# Altium PCB Stratochovy2.PcbDoc (part 1 of 2) (continued)
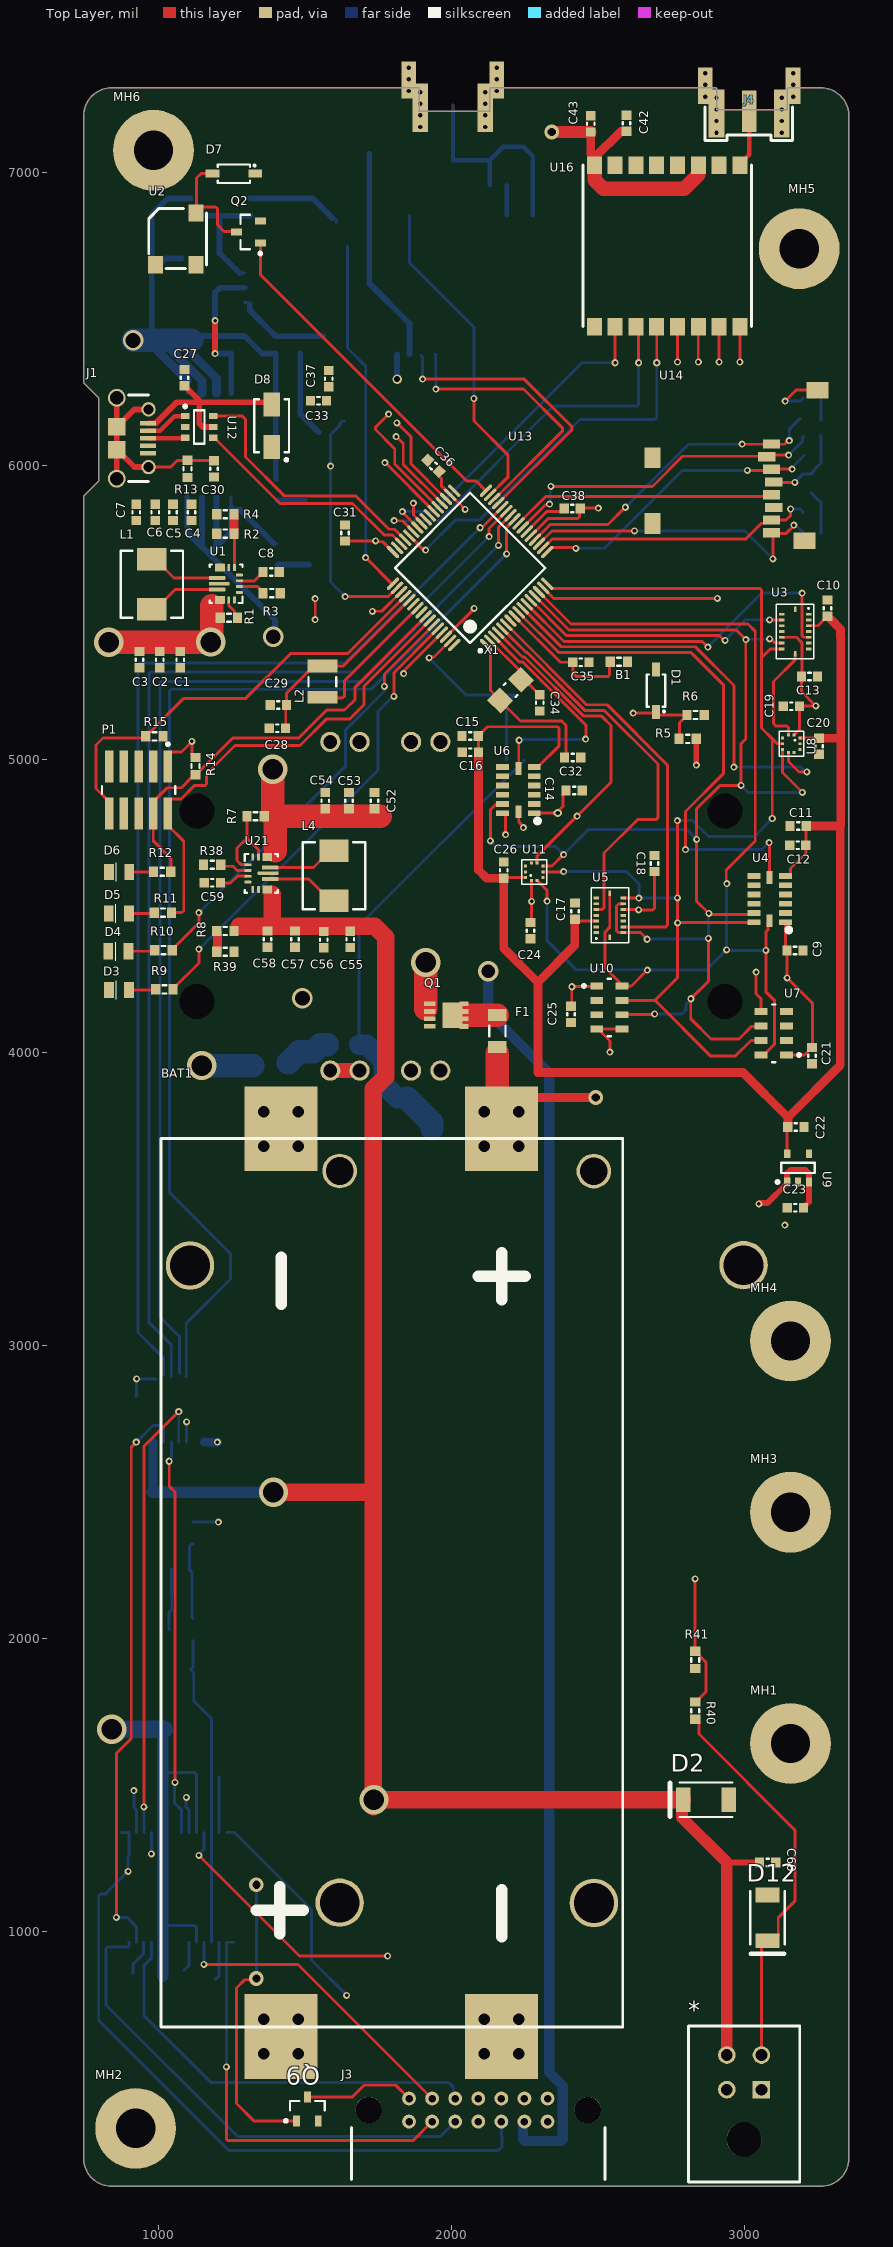
[diagram p0: Top Layer view]
## Part data (continued)
D10: library part CMP-033-0001-1, "LED 0805 RED 20MA", Color=Red, Current - Test=20mA, Lens Color=White, Manufacturer="OSRAM Opto Semiconductors Inc", Manufacturer Part Number="LH R974-LP-1", Millicandela Rating=41mcd, Package / Case="0805 (2012 Metric)", Voltage - Forward (Vf) (Typ)=1.8V, ComponentLink1Description=http://www.osram-os.com/Graphics/XPic8/00078869_0.pdf, ComponentLink1URL=http://www.osram-os.com/Graphics/XPic8/00078869_0.pdf, Design Item ID=LED_LY974, Height (Max)=0.80mm, Lens Style/Size="Rectangle with Flat Top, 1.30mm x 1.25mm", Lens Transparency=Diffused, Mounting Type="Surface Mount", Packaging="Cut Tape (CT)", Pricing 1="1=0.08, 10=0.07, 100=0.0559, 250=0.04892, 500=0.04472 (USD)", RoHS="RoHS Compliant", Size / Dimension="2.00mm L x 1.25mm W", Source=diode.SchLib, Stock 1=66379, Viewing Angle=160°, Wavelength - Dominant=645nm, Wavelength - Peak=660nm
F1 F2: library part CMP-035-0003-1, Design Item ID=__template_fuse, Source=fuse.SchLib
J1: library part CMP-029-0083-1, "CONN RCPT USB2.0 MICRO B SMD R/A", Colour=Black, Current Rating=1.8A, Flammability Rating="UL94 V-0", Insulation Resistance=1GR, Manufacturer="Amphenol FCI", Manufacturer Part Number=10118194-0001LF, Max Operating Temperature=85°C, Max Voltage Rating (AC)=100V, Min Operating Temperature=-55°C, Package Quantity=9600, ComponentLink1Description=https://datasheet.ciiva.com/851/10118194-851110.pdf, ComponentLink1URL=https://datasheet.ciiva.com/851/10118194-851110.pdf, ComponentLink2Description=https://datasheet.ciiva.com/851/10118194-851111.pdf, ComponentLink2URL=https://datasheet.ciiva.com/851/10118194-851111.pdf, ComponentLink3Description=https://datasheet.ciiva.com/4598/10118194ac-197217-4598807.pdf, ComponentLink3URL=https://datasheet.ciiva.com/4598/10118194ac-197217-4598807.pdf, ComponentLink4Description=https://datasheet.ciiva.com/29907/10118194-29907230.pdf, ComponentLink4URL=https://datasheet.ciiva.com/29907/10118194-29907230.pdf, ComponentLink5Description=https://datasheet.ciiva.com/26945/getdatasheetpartid-418619-26945695.pdf, ComponentLink5URL=https://datasheet.ciiva.com/26945/getdatasheetpartid-418619-26945695.pdf, Connector Type=USB,Receptacle, Contact Material="Copper Alloy", Contact Plating=Nickel,Gold, Depth=5mm, Design Item ID=CONN_USB_MICROB_SMD_TH_R/A, Gender=Receptacle, Housing Material=Polymer, Lead Free="Lead Free", Length=8.05mm, Mount="Surface Mount,Horizontal", Number of Contacts=5, Number of Ports=1, Number of Terminals=5, Orientation="Right Angle", Packaging="Tape and Reel", Pitch=0.65mm, Pricing 1="1=0.46, 10=0.437, 25=0.3744, 50=0.318, 100=0.3056, 250=0.2744, 500=0.262 (USD)", Radiation Hardening=No, Source=connector.SchLib, Stock 1=180464, Termination=Solder
J2 J4: library part CMP-025-0000-1, "SMA Samtec, Edge Mount, Long Thread. PCB Footprint designed by timv to improve strength, verifived on several PCBs from BAC."
J3: library part CMP-030-0115-1, "7+7 POS R/A MALE 3mm TAIL W/JS TIN", Manufacturer=Harwin, Manufacturer Part Number=M80-5401442, ComponentLink1Description=https://datasheet.ciiva.com/11751/0900766b80d93463-11751065.pdf, ComponentLink1URL=https://datasheet.ciiva.com/11751/0900766b80d93463-11751065.pdf, ComponentLink2Description=https://datasheet.ciiva.com/733/m80-540-733786.pdf, ComponentLink2URL=https://datasheet.ciiva.com/733/m80-540-733786.pdf, ComponentLink3Description=https://datasheet.ciiva.com/41451/001233329-da-01-en-stiftleiste-einbau-gewinkelt-m80-5401442-41451405.pdf, ComponentLink3URL=https://datasheet.ciiva.com/41451/001233329-da-01-en-stiftleiste-einbau-gewinkelt-m80-5401442-41451405.pdf, Design Item ID=HARWIN_MALE_RIGHT-ANGLE_M80-5401442, Height=6.05mm, Length=24mm, Number of arrays=2, Number of poles=14, Pitch=2mm, Pricing 1="1=18.11, 10=16.81, 50=14.66, 100=12.93, 1000=11.81, 10000=11.81 (USD)", Source=connector.SchLib, Stock 1=61, Wire connection method=Solder
L1 L4: library part CMP-052-0036-1, "INDUCTOR POWER 1.5UH 7.5A SMD", Current - Saturation=7A, Current Rating=7.5A, DC Resistance (DCR)="18.5 mOhm Max", Frequency - Self Resonant=-, Frequency - Test=100kHz, Inductance=1.5µH, Manufacturer="Vishay Dale", Manufacturer Part Number=IHLP2020CZER1R5M11, Operating Temperature="-55°C ~ 125°C", Package / Case="Non Standard", tolerance=±20%, ComponentLink1Description=Datasheet, ComponentLink1URL=http://www.vishay.com/docs/34260/lp20cz11.pdf, Design Item ID=IND_IHLP2020CZER1R5M11, Material - Core=-, Mounting Type="Surface Mount", Packaging="Cut Tape (CT)", Pricing 1="1=2.29, 10=1.86, 100=1.55, 500=1.24, 1000=1.116 (USD)", Q @ Freq=-, RoHS="RoHS Compliant", Shielding=Shielded, Size / Dimension="0.216\" L x 0.204\" W x 0.118\" H (5.49mm x 5.18mm x 3.00mm)", Source=inductor.SchLib, Stock 1=17936
L2: library part CMP-052-0010-1, "INDUCTOR 100UH 270MA 1210 SMD", Current=270mA, Current - Temperature Rise=250mA, DC Resistance (DCR)="3 Ohm Max", Frequency - Self Resonant=5MHz, Frequency - Test=100kHz, Inductance=100µH, Manufacturer="Taiyo Yuden", Manufacturer Part Number=BRL3225T101K, Operating Temperature="-40°C ~ 105°C", Package / Case="1210 (3225 Metric)", Q @ Freq=-, tolerance=±10%, Applications="Power Supplies", ComponentLink1Description=Datasheet, ComponentLink1URL=http://www.yuden.co.jp/ut/product/pdf/wound07_e.pdf, Current - Saturation=270mA, Design Item ID=IND_BRL3225T101K, Material - Core=-, Mounting Type="Surface Mount", Packaging="Cut Tape (CT)", Pricing 1="1=0.16, 10=0.155, 50=0.145, 100=0.1354, 500=0.10638, 1000=0.08704 (GBP)", RoHS="RoHS Compliant", Shielding=Unshielded, Source=inductor.SchLib, Stock 1=84687
L3: library part CMP-123-0062-1, "FIXED IND 27NH 680MA 288 MOHM", Current Rating=680mA, Frequency - Self Resonant=4GHz, Inductance=27nH, Inductance - nH (Machine readable)=27, Manufacturer="Murata Electronics North America"
MH1 MH2 MH3 MH4 MH5 MH6: library part CMP-054-0000-1, Design Item ID=SCREW, Source=mechanical.SchLib
P1: library part CMP-2000-05352-1, "Male Header, Pitch 1.27 mm, 2 x 5 Position, Height 6.12 mm, RoHS, Tube", Color=Black, Manufacturer=Samtec, Package Description="Male Header, Pitch 1.27 mm, 2 x 5 Position, Height 5.97 mm, Tail Length 4.32 mm", Package Reference=FTSH-105-01-L-DV-K, Category=Connectors,Interconnects, Connector Type=Header,Shrouded, Contact Finish=Gold, Contact Finish Thickness=3µin(0.08µm), Contact Mating Length="0.120\"(3.05mm)", Contact Type=MalePin, Datasheet URL=http://suddendocs.samtec.com/prints/ftsh-1xx-xx-xxx-dv-xxx-mkt.pdf, Datasheet Version="Rev. ET, 10/1995", Family=RectangularConnectors-Headers,MalePins, Fastening Type=-, Features=-, Manufacturer URL=http://www.samtec.com/, Mounting Type=SurfaceMount, Number of Positions=10, Number of Positions Loaded=All, Number of Rows=2, Package URL=http://suddendocs.samtec.com/prints/ftsh-1xx-xx-xxx-dv-xxx-footprint.pdf, Packaging=Tube, Pitch="0.050\"(1.27mm)", Row Spacing="0.050\"(1.27mm)", Series=FTSH, Termination=Solder
Q1 Q6: library part CMP-078-0043-2, "MOSFET P-CH 20V 35A PPK", Current - Continuous Drain (Id) @ 25°C="35A (Tc)", Drain to Source Voltage (Vdss)=20V, Input Capacitance (Ciss) @ Vds="5590pF @ 10V", Manufacturer="Vishay Siliconix", Manufacturer Part Number=SI7615ADN-T1-GE3, Operating Temperature="-55°C ~ 150°C (TJ)", Package / Case="PowerPAK® 1212-8", Power - Max=52W, ComponentLink1Description=http://www.vishay.com/docs/62667/si7615adn.pdf, ComponentLink1URL=http://www.vishay.com/docs/62667/si7615adn.pdf, Design Item ID=PFET_SI7615ADN-T1, FET Feature=Standard, FET Type="MOSFET P-Channel, Metal Oxide", Gate Charge (Qg) @ Vgs="183nC @ 10V", Mounting Type="Surface Mount", Packaging="Cut Tape (CT)", Part Status=Active, Pricing 1="1=0.73, 10=0.646, 25=0.6068, 100=0.4951, 250=0.45988, 500=0.3914, 1000=0.31312 (USD)", Rds On (Max) @ Id, Vgs="4.4 mOhm @ 20A, 10V", RoHS="RoHS Compliant", Source=transistor_fet.SchLib, Stock 1=98451, Supplier Device Package="PowerPAK® 1212-8", Vgs(th) (Max) @ Id="1.5V @ 250µA"
Q2 Q4 Q5 Q8 Q9: library part CMP-078-0046-1, "MOSFET N-CH 25V 5.8A SOT23", Current - Continuous Drain (Id) @ 25° C=5.8A, Drain to Source Voltage (Vdss)=25V, Input Capacitance (Ciss) @ Vds="430pF @ 10V", Manufacturer="International Rectifier", Manufacturer Part Number=IRFML8244TRPBF, Package / Case="TO-236-3, SC-59, SOT-23-3", Power - Max=1.25W, Supplier Device Package=SOT-23, ComponentLink1Description=Datasheet, ComponentLink1URL=http://www.irf.com/product-info/datasheets/data/irfml8244pbf.pdf, Design Item ID=NFET_IRFML8244TRPBF, FET Feature="Logic Level Gate", FET Type="MOSFET N-Channel, Metal Oxide", Gate Charge (Qg) @ Vgs="5.4nC @ 10V", Mounting Type="Surface Mount", Packaging="Cut Tape (CT)", Pricing 1="1=0.41, 10=0.23, 100=0.1491, 250=0.13548, 500=0.1219, 1000=0.11411 (USD)", Rds On (Max) @ Id, Vgs="24 mOhm @ 5.8A, 10V", RoHS="RoHS Compliant", Source=transistor_fet.SchLib, Stock 1=13542, Vgs(th) (Max) @ Id="2.35V @ 10µA"
Q3: library part CMP-078-0013-1, "MOSFET P-CH 30V 8.8A", Case/Package=SOIC, Continuous Drain Current (ID)=8.8A, Current Rating=-8.8A, Drain to Source Breakdown Voltage=-30V, Drain to Source Resistance=20mR, Drain to Source Voltage (Vdss)=30V, Gate to Source Voltage (Vgs)=20V, Input Capacitance=1.604nF, Manufacturer="Fairchild Semiconductor", Manufacturer Part Number=SI4435DY, Max Operating Temperature=175°C, Max Power Dissipation=2.5W, Min Operating Temperature=-55°C, Package Quantity=1, Threshold Voltage=-1.7V, ComponentLink1Description=https://datasheet.ciiva.com/4450/si4435dy-100561-4450691.pdf, ComponentLink1URL=https://datasheet.ciiva.com/4450/si4435dy-100561-4450691.pdf, ComponentLink2Description=https://datasheet.ciiva.com/22682/256483-22682026.pdf, ComponentLink2URL=https://datasheet.ciiva.com/22682/256483-22682026.pdf, ComponentLink3Description=https://datasheet.ciiva.com/26252/si4435dy-26252714.pdf, ComponentLink3URL=https://datasheet.ciiva.com/26252/si4435dy-26252714.pdf, ComponentLink4Description=https://datasheet.ciiva.com/11175/si4435dy-11175899.pdf, ComponentLink4URL=https://datasheet.ciiva.com/11175/si4435dy-11175899.pdf, ComponentLink5Description=https://datasheet.ciiva.com/16772/si4435dy-16772219.pdf, ComponentLink5URL=https://datasheet.ciiva.com/16772/si4435dy-16772219.pdf, ComponentLink6Description=https://datasheet.ciiva.com/6374/si4435dy-6374700.pdf, ComponentLink6URL=https://datasheet.ciiva.com/6374/si4435dy-6374700.pdf, ComponentLink7Description=https://datasheet.ciiva.com/6374/si4435dy-6374703.pdf, ComponentLink7URL=https://datasheet.ciiva.com/6374/si4435dy-6374703.pdf, Design Item ID=PFET_SI4435DY, Dual Supply Voltage=-30V, Element Configuration=Single, Fall Time=25ns, Height=1.57mm, Lead Free="Lead Free", Length=4.9mm, Mount="Surface Mount", Nominal Vgs=-1.7V, Number of Elements=1, Number of Pins=8, Packaging="Tape and Reel", Power Dissipation=2.5W, Pricing 1="1=0.99, 10=0.884, 100=0.6893, 500=0.5694, 1000=0.4495 (USD)", Radiation Hardening=No, Rds On Max=20mR, REACH SVHC="No SVHC", Rise Time=13.5ns, Source=transistor_fet.SchLib, Stock 1=5038, Termination=SMD/SMT, Turn-Off Delay Time=42ns, Turn-On Delay Time=16ns, Voltage Rating (DC)=-30V, Width=3.9mm
Q7: library part CMP-078-0012-1, "MOSFET P-CH", Design Item ID=PFET_Si2305DS, Source=transistor_fet.SchLib
R1 R6 R7 R15 R17 R21 R23 R24 R25 R30 R31 R32 R33 R34 R35 R37 R40: library part CMP-126-0273-2, "RES SMD 10K OHM 1% 1/10W 0603", Manufacturer=Yageo, Manufacturer Part Number=RC0603FR-0710KL, Operating Temperature="-55°C ~ 155°C", Power (Watts)="0.1W, 1/10W", Resistance="10 kΩ", Resistance (Sortable)=10000, Temperature Coefficient=±100ppm/°C, tolerance=±1%, Datasheets=http://www.yageo.com/documents/recent/PYu-RC_Group_51_RoHS_L_9.pdf, Image=//media.digikey.com/Renders/Yageo%20Renders/0603-(1608-Metric).jpg
R2: library part CMP-126-0450-2, "RES SMD 470K OHM 1% 1/10W 0603", Manufacturer=Yageo, Manufacturer Part Number=RC0603FR-07470KL, Operating Temperature="-55°C ~ 155°C", Power (Watts)="0.1W, 1/10W", Resistance="470 kΩ", Resistance (Sortable)=470000, Temperature Coefficient=±100ppm/°C, tolerance=±1%, Datasheets=http://www.yageo.com/documents/recent/PYu-RC_Group_51_RoHS_L_9.pdf, Image=//media.digikey.com/Renders/Yageo%20Renders/0603-(1608-Metric).jpg
R3 R16 R18 R19 R20 R38: library part CMP-126-0382-2, "RES SMD 100K OHM 1% 1/10W 0603", Manufacturer=Yageo, Manufacturer Part Number=RC0603FR-07100KL, Operating Temperature="-55°C ~ 155°C", Power (Watts)="0.1W, 1/10W", Resistance="100 kΩ", Resistance (Sortable)=100000, Temperature Coefficient=±100ppm/°C, tolerance=±1%, Datasheets=http://www.yageo.com/documents/recent/PYu-RC_Group_51_RoHS_L_9.pdf, Image=//media.digikey.com/Renders/Yageo%20Renders/0603-(1608-Metric).jpg
R4: library part CMP-126-0400-2, "RES SMD 150K OHM 1% 1/10W 0603", Manufacturer=Yageo, Manufacturer Part Number=RC0603FR-07150KL, Operating Temperature="-55°C ~ 155°C", Power (Watts)="0.1W, 1/10W", Resistance="150 kΩ", Resistance (Sortable)=150000, Temperature Coefficient=±100ppm/°C, tolerance=±1%, Datasheets=http://www.yageo.com/documents/recent/PYu-RC_Group_51_RoHS_L_9.pdf, Image=//media.digikey.com/Renders/Yageo%20Renders/0603-(1608-Metric).jpg
R5 R36 R41: library part CMP-126-0304-2, "RES SMD 20K OHM 1% 1/10W 0603", Manufacturer=Yageo, Manufacturer Part Number=RC0603FR-0720KL, Operating Temperature="-55°C ~ 155°C", Power (Watts)="0.1W, 1/10W", Resistance="20 kΩ", Resistance (Sortable)=20000, Temperature Coefficient=±100ppm/°C, tolerance=±1%, Datasheets=http://www.yageo.com/documents/recent/PYu-RC_Group_51_RoHS_L_9.pdf, Image=//media.digikey.com/Renders/Yageo%20Renders/0603-(1608-Metric).jpg
R8: library part CMP-126-0467-2, "RES SMD 680K OHM 1% 1/10W 0603", Manufacturer=Yageo, Manufacturer Part Number=RC0603FR-07680KL, Operating Temperature="-55°C ~ 155°C", Power (Watts)="0.1W, 1/10W", Resistance="680 kΩ", Resistance (Sortable)=680000, Temperature Coefficient=±100ppm/°C, tolerance=±1%, Datasheets=http://www.yageo.com/documents/recent/PYu-RC_Group_51_RoHS_L_9.pdf, Image=//media.digikey.com/Renders/Yageo%20Renders/0603-(1608-Metric).jpg
R9 R10 R11 R12: library part CMP-126-0070-2, "RES SMD 100 OHM 1% 1/10W 0603", Manufacturer=Yageo, Manufacturer Part Number=RC0603FR-07100RL, Operating Temperature="-55°C ~ 155°C", Power (Watts)="0.1W, 1/10W", Resistance="100 Ω", Resistance (Sortable)=100, Temperature Coefficient=±100ppm/°C, tolerance=±1%, Datasheets=http://www.yageo.com/documents/recent/PYu-RC_Group_51_RoHS_L_9.pdf, Image=//media.digikey.com/Renders/Yageo%20Renders/0603-(1608-Metric).jpg
R13: library part CMP-126-0484-2, "RES SMD 1M OHM 1% 1/10W 0603", Manufacturer=Yageo, Manufacturer Part Number=RC0603FR-071ML, Operating Temperature="-55°C ~ 155°C", Power (Watts)="0.1W, 1/10W", Resistance="1 MΩ", Resistance (Sortable)=1000000, Temperature Coefficient=±100ppm/°C, tolerance=±1%, Datasheets=http://www.yageo.com/documents/recent/PYu-RC_Group_51_RoHS_L_9.pdf, Image=//media.digikey.com/Renders/Yageo%20Renders/0603-(1608-Metric).jpg
R14 R27 R28: library part CMP-126-0172-2, "RES SMD 1K OHM 1% 1/10W 0603", Manufacturer=Yageo, Manufacturer Part Number=RC0603FR-071KL, Operating Temperature="-55°C ~ 155°C", Power (Watts)="0.1W, 1/10W", Resistance="1 kΩ", Resistance (Sortable)=1000, Temperature Coefficient=±100ppm/°C, tolerance=±1%, Datasheets=http://www.yageo.com/documents/recent/PYu-RC_Group_51_RoHS_L_9.pdf, Image=//media.digikey.com/Renders/Yageo%20Renders/0603-(1608-Metric).jpg
R22: library part CMP-126-0002-2, "RES SMD 10 OHM 1% 1/10W 0603", Manufacturer=Yageo, Manufacturer Part Number=RC0603FR-0710RL, Operating Temperature="-55°C ~ 155°C", Power (Watts)="0.1W, 1/10W", Resistance="10 Ω", Resistance (Sortable)=10, Temperature Coefficient=±200ppm/°C, tolerance=±1%, Datasheets=http://www.yageo.com/documents/recent/PYu-RC_Group_51_RoHS_L_9.pdf, Image=//media.digikey.com/Renders/Yageo%20Renders/0603-(1608-Metric).jpg
R26 R29: library part CMP-126-0120-2, "RES SMD 330 OHM 1% 1/10W 0603", Manufacturer=Yageo, Manufacturer Part Number=RC0603FR-07330RL, Operating Temperature="-55°C ~ 155°C", Power (Watts)="0.1W, 1/10W", Resistance="330 Ω", Resistance (Sortable)=330, Temperature Coefficient=±100ppm/°C, tolerance=±1%, Datasheets=http://www.yageo.com/documents/recent/PYu-RC_Group_51_RoHS_L_9.pdf, Image=//media.digikey.com/Renders/Yageo%20Renders/0603-(1608-Metric).jpg
R39: library part CMP-126-0394-2, "RES SMD 130K OHM 1% 1/10W 0603", Manufacturer=Yageo, Manufacturer Part Number=RC0603FR-07130KL, Operating Temperature="-55°C ~ 155°C", Power (Watts)="0.1W, 1/10W", Resistance="130 kΩ", Resistance (Sortable)=130000, Temperature Coefficient=±100ppm/°C, tolerance=±1%, Datasheets=http://www.yageo.com/documents/recent/PYu-RC_Group_51_RoHS_L_9.pdf, Image=//media.digikey.com/Renders/Yageo%20Renders/0603-(1608-Metric).jpg
U1 U21: library part CMP-047-0013-1, "BUCKBOOST TPS63070RNM, RNM0015A", Case/Package=VQFN, Manufacturer="Texas Instruments", Manufacturer Part Number=TPS63070RNMR, Max Input Voltage=16V, Max Operating Temperature=125°C, Max Output Voltage=9V, Min Input Voltage=2V, Min Operating Temperature=-40°C, Min Output Voltage=2.5V, Output Current=2A, Quiescent Current=50uA, Switching Frequency=2.4MHz, ComponentLink1Description="Datasheet Link", ComponentLink1URL=https://sps06.itg.ti.com/sites/KMS/crossdivteams/altium/docs/ComponentDatasheets/TPS63070_datasheet_23_April2015.pdf, Design Item ID=TPS63070RNM, Lead Free="Lead Free", Mount="Surface Mount", Number of Outputs=1, Number of Pins=15, Output Configuration=Positive, Output Type=Adjustable, Packaging="Tape and Reel", Pricing 1="1=2.67, 10=2.402, 100=1.9306, 500=1.5862, 1000=1.31428 (USD)", Source=ic_pmic.SchLib, Stock 1=16230, Synchronous Rectifier=Yes, Topology=Buck-Boost
U2: library part CMP-057-0027-1, "Peak-Peak Signal Buzzer Single Tone 4kHz Magnetic 2 ~ 4V 78dB @ 3V, 10cm", Current - Supply=100mA, Frequency=4kHz, Manufacturer="PUI Audio, Inc.", Manufacturer Part Number=SMT-0540-T-7-R, Operating Mode="Single Tone", Operating Temperature="-30°C ~ 70°C", Ratings=-, Voltage - Rated=3V, Voltage Range="2 ~ 4V", Approvals=-, ComponentLink1Description=http://www.puiaudio.com/pdf/SMT-0540-T-7-R.pdf, ComponentLink1URL=http://www.puiaudio.com/pdf/SMT-0540-T-7-R.pdf, Design Item ID=BUZ_SMT-0540-T-7-R, Driver Circuitry="Transducer, Externally Driven", Duration=-, Input Type="Peak-Peak Signal", Mounting Type="Surface Mount", Packaging="Cut Tape (CT)", Part Status=Active, Port Location=Top, Pricing 1="1=3.99, 10=3.325, 100=2.66, 500=2.3275 (USD)", RoHS="RoHS Compliant", Size / Dimension="5.0mm L x 5.0mm W x 2.1mm H", Sound Pressure Level="78dB @ 3V, 10cm", Source=miscellaneous.SchLib, Stock 1=12397, Technology=Magnetic, Termination="Solder Pads"
U3 U5: library part CMP-074-0017-1, "Bosch BMI088", Design Item ID=IMU_BMI088, Source=sensor.SchLib
U4 U6: library part CMP-074-0018-1, "200G Accelcerometer", Manufacturer="Analog Devices", Manufacturer Part Number=ADXL375BCCZ-RL7, Max Operating Temperature=85°C, Min Operating Temperature=-40°C, Nominal Supply Current=145uA, Operating Supply Voltage=3.6V, Package Quantity=1, -3db Bandwidth=1.6kHz, Axis="X, Y, Z", Bandwidth=1kHz, Design Item ID=ADXL375BCCZ, Interface=I2C,SPI, Lead Free="Contains Lead", Mount="Surface Mount", Number of Pins=14, Operating Supply Current=145uA, Output Type=Digital, Pricing 1="1=10.9, 10=10.021, 100=8.463, 500=7.5284 (USD)", Sensitivity=20.5LSB/g, Source=sensor.SchLib, Stock 1=3410
U7 U10: library part CMP-00025-1, "Pressure Sensor 1.44V to 3.6V 0.01bar to 1.2bar Absolute 8-Pin QFN T/R", Case/Package=QFN, Max Operating Temperature=85°C, Max Supply Voltage=3.6V, Min Operating Temperature=-40°C, Min Supply Voltage=1.8V, Nominal Supply Current=12.5uA, Operating Supply Voltage=3V, Package Quantity=3600, Interface=I2C,SPI, Mount="Surface Mount", Number of Pins=8, Operating Supply Current=12.5uA, Output Type=Digital, Output Voltage=3.6V, Packaging="Tape and Reel", Pressure Type=Absolute, Radiation Hardening=No, REACH SVHC="No SVHC", Resolution=24b, RoHS Compliant=Yes
U8 U11: library part CMP-074-0001-1, "SENSOR PRESSURE ABS", Manufacturer="Bosch Sensortec", ComponentLink1Description=https://ae-bst.resource.bosch.com/media/_tech/media/product_flyer/BST-BMP388-FL000-00.pdf, ComponentLink1URL=https://ae-bst.resource.bosch.com/media/_tech/media/product_flyer/BST-BMP388-FL000-00.pdf, Design Item ID=BMP388, Manufacturer Part Number=BMP388, Pricing 1="1=3.93, 5=3.466, 10=3.061, 25=2.4832, 50=2.1946, 100=2.1368, 500=1.7903, 1000=1.6748, 5000=1.5593 (USD)", Source=sensor.SchLib, Stock 1=46050
U9: library part CMP-048-0071-1, "IC REG LDO 3.3V .2A SOT23-5", Current - Limit (Min)=220mA, Current - Output=200mA, Manufacturer="Texas Instruments", Manufacturer Part Number=TLV70033QDDCRQ1, Operating Temperature="-40°C ~ 125°C", Package / Case="SOT-23-5 Thin, TSOT-23-5", Supplier Device Package=SOT-5, Voltage - Dropout (Typical)=-, Voltage - Input="Up to 5.5V", Voltage - Output=3.3V, ComponentLink1Description=Datasheet, ComponentLink1URL=http://www.ti.com/lit/ds/symlink/tlv70033-q1.pdf, Design Item ID=LDO_TLV70033QDDCRQ1, Mounting Type="Surface Mount", Number of Regulators=1, Packaging="Cut Tape (CT)", Pricing 1="1=0.58, 10=0.507, 25=0.444, 100=0.1661, 250=0.16296, 500=0.1599, 750=0.15683 (USD)", Regulator Topology="Positive Fixed", RoHS="RoHS Compliant", Source=ic_pmic.SchLib, Stock 1=889
U12: library part CMP-038-0001-1, Capacitance @ Frequency=-, Current - Peak Pulse (10/1000µs)="5A (8/20µs)", Manufacturer=STMicroelectronics, Manufacturer Part Number=USBLC6-2SC6, Operating Temperature="-40°C ~ 125°C (TJ)", Package / Case=SOT-23-6, Power Line Protection=Yes, Voltage - Breakdown (Min)=6V, Voltage - Clamping (Max) @ Ipp=17V, Voltage - Reverse Standoff (Typ)=5.25V, Applications=Ethernet, Bidirectional Channels=-, ComponentLink1Description=http://www.st.com/web/en/resource/technical/document/datasheet/CD00050750.pdf, ComponentLink1URL=http://www.st.com/web/en/resource/technical/document/datasheet/CD00050750.pdf, Design Item ID=USBLC6-2, Mounting Type="Surface Mount", Packaging="Cut Tape (CT)", Part Status=Active, Power - Peak Pulse=-, Pricing 1="1=0.51, 10=0.411, 100=0.2802, 500=0.21012, 1000=0.15759 (USD)", RoHS="RoHS Compliant", Source=ic_analog.SchLib, Stock 1=31719, Supplier Device Package=SOT-23-6, Unidirectional Channels=2
U13: library part CMP-049-0005-1, "Atmel SAM ARM Cortex M4", ComponentLink1Description="Product Page", ComponentLink1URL=https://www.microchip.com/wwwproducts/en/ATSAMD21G18, ComponentLink2Description=Datasheet, ComponentLink2URL=http://ww1.microchip.com/downloads/en/DeviceDoc/SAM-D21-Family-Datasheet-DS40001882C.pdf, Design Item ID=SAME51J20A-A, Source=ic_processor.SchLib
U14: library part CMP-030-0037-1, "MICROSD CARD HOLDER, PUSH-PUSH", Manufacturer=3M, Manufacturer Part Number=2908-05WB-MG, Card Type="Secure Digital - microSD™", ComponentLink1Description=http://multimedia.3m.com/mws/media/416257O/3mtm-card-connector-microsdtm-2900-series-ts2197.pdf, ComponentLink1URL=http://multimedia.3m.com/mws/media/416257O/3mtm-card-connector-microsdtm-2900-series-ts2197.pdf, Connector Type="Connector and Ejector", Contact Finish=Gold, Contact Finish Thickness="15µin (0.38µm)", Design Item ID=MICRO_SD_CARD_HOLDER, Ejector Side=-, Features=Switch, Height Above Board="0.073\" (1.85mm)", Insertion, Removal Method="Push In, Push Out", Mounting Feature="Normal, Standard - Top", Mounting Type="Surface Mount, Right Angle", Number of Positions="10 (8 + 2)", Packaging="Cut Tape (CT)", Pricing 1="1=3.6, 10=3.458, 25=3.1704, 50=3.0262, 100=2.882, 250=2.52176, 500=2.4497, 1000=2.08945 (USD)", RoHS="RoHS Compliant", Source=connector.SchLib, Stock 1=32313
U15: library part CMP-074-0003-2, "Receiver GNSS 24LCC", Design Item ID=NEO_M8, Source=sensor.SchLib
U16: library part CMP-025-0002-1, "Dorji DRF1268T LoRa Module with SX1262 IC and TCXO", Design Item ID=RFM_Module
U17: library part CMP-059-0002-1, "555 Type, Timer/Oscillator (Single) IC 2.1MHz 8-SOIC (0.154\", 3.90mm Width)", Current - Supply=360µA, Frequency=2.1MHz, Manufacturer="Texas Instruments", Manufacturer Part Number=TLC555CDR, Operating Temperature="0°C ~ 70°C", Package / Case="8-SOIC (0.154\", 3.90mm Width)", Supplier Device Package=8-SOIC, Voltage - Supply="2 V ~ 15 V", ComponentLink1Description=http://www.ti.com/lit/ds/symlink/tlc555.pdf, ComponentLink1URL=http://www.ti.com/lit/ds/symlink/tlc555.pdf, Count=-, Design Item ID=TIM_TLC555CDR, Mounting Type="Surface Mount", Packaging="Cut Tape (CT)", Part Status=Active, Pricing 1="1=0.72, 10=0.629, 100=0.481, 500=0.3811, 1000=0.30525 (USD)", RoHS="RoHS Compliant", Source=miscellaneous.SchLib, Stock 1=16901
U18: library part CMP-064-0039-2, "Stratologger", Design Item ID=STRATOLOGGERCF_ALTIMETER, Source=modules.SchLib
U19: library part CMP-045-0016-1, "4 Pin Bidirectional levelshifter 5v-3.3v", Manufacturer="Texas Instruments", Manufacturer Part Number=TXB0104PWR, Operating Temperature="-40°C ~ 85°C (TA)", Package / Case="14-TSSOP (0.173\", 4.40mm Width)", Supplier Device Package=14-TSSOP, Voltage - VCCA="1.2 V ~ 3.6 V", Voltage - VCCB="1.65 V ~ 5.5 V", Channel Type=Bidirectional, Channels per Circuit=4, ComponentLink1Description=http://www.ti.com/lit/ds/symlink/txb0104.pdf, ComponentLink1URL=http://www.ti.com/lit/ds/symlink/txb0104.pdf, Data Rate=100Mbps, Design Item ID=LVLSHFT_TXB0104PWR, Features="Auto-Direction Sensing", Input Signal=-, Mounting Type="Surface Mount", Number of Circuits=1, Output Signal=-, Output Type="Tri-State, Non-Inverted", Packaging="Cut Tape (CT)", Pricing 1="1=1.39, 10=1.246, 100=0.9717, 500=0.8036, 1000=0.6355 (USD)", RoHS="RoHS Compliant", Source=ic_interface.SchLib, Stock 1=16134, Translator Type="Voltage Level"
U20: library part CMP-045-0005-1, Manufacturer="NXP USA Inc.", Manufacturer Part Number=MC33797BPEWR2, Package / Case="32-SOIC (0.295\", 7.50mm Width)", Supplier Device Package=32-SOIC, Voltage - Supply="4.75 V ~ 5.25 V", Applications=-, ComponentLink1Description=http://cache.freescale.com/files/analog/doc/data_sheet/MC33797.pdf, ComponentLink1URL=http://cache.freescale.com/files/analog/doc/data_sheet/MC33797.pdf, Design Item ID=SQUIB_MC33797, Interface=SPI, Mounting Type="Surface Mount", Packaging="Cut Tape (CT)", Part Status=Active, RoHS="RoHS Compliant", Source=ic_interface.SchLib
X1: library part CMP-066-0008-1, "CRYSTAL 32.768 KHZ 12.5 PF SMD", ESR (Equivalent Series Resistance)="70 kOhm", Frequency=32.768kHz, Frequency Stability=-, Frequency Tolerance=±10ppm, Load Capacitance=12.5pF, Manufacturer="TXC CORPORATION", Manufacturer Part Number=9HT10-32.768KEZF-T, Operating Mode=Fundamental, Operating Temperature="-40°C ~ 85°C", Package / Case=2-SMD, ComponentLink1Description=Datasheet, ComponentLink1URL=http://www.txccrystal.com/images/pdf/9ht10.pdf, Design Item ID=XTAL_9HT10-32.768KEZF-T, Height="0.033\" (0.85mm)", Mounting Type="Surface Mount", Packaging="Cut Tape (CT)", Pricing 1="1=1.88, 10=1.625, 50=1.425, 100=1.125, 500=0.95, 1000=0.75 (USD)", Ratings=-, RoHS="RoHS Compliant", Size / Dimension="0.126\" L x 0.059\" W (3.20mm x 1.50mm)", Source=oscillator.SchLib, Stock 1=5250

## Via types
v1: diameter 24, hole 12, Top Layer to Bottom Layer, 124 vias
v2: diameter 27, hole 15, Top Layer to Bottom Layer, 28 vias
v3: diameter 100, hole 70, Top Layer to Bottom Layer, 8 vias
v4: diameter 50, hole 28, Top Layer to Bottom Layer, 4 vias
v5: diameter 70, hole 50, Top Layer to Bottom Layer, 3 vias
v6: diameter 32, hole 20, Top Layer to Bottom Layer, 1 vias
v7: diameter 70, hole 45, Top Layer to Bottom Layer, 1 vias
v8: diameter 28, hole 14, Top Layer to Bottom Layer, 1 vias